# KiCad board ISA65816a.kicad_pcb (continued)
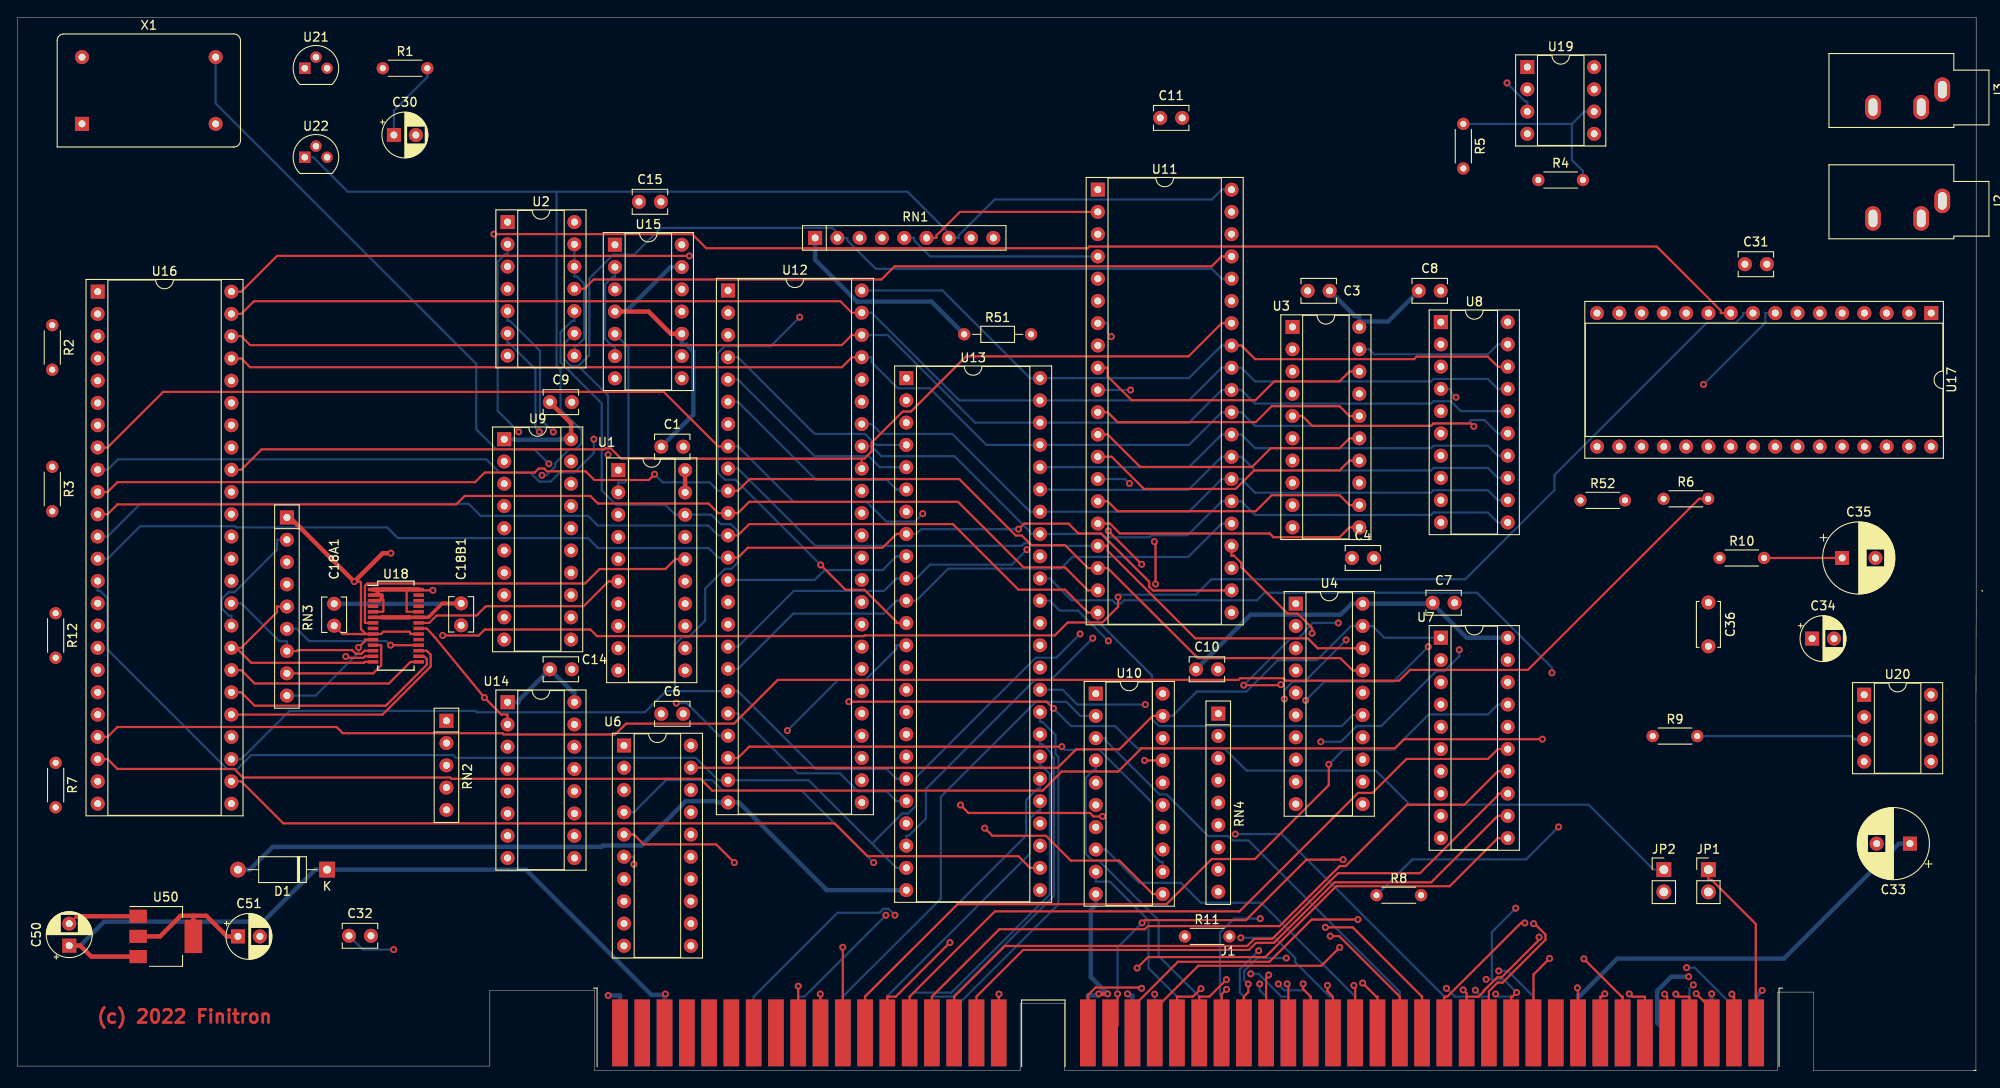
[diagram p0: board, top side]
## Routing (per net, layer and track width the routed paths; a pad name or vN(x,y) marks a point on that pad's centre or on a via; arc(x,y) is an arc through that point) (continued)
BA5: length 196
  In1.Cu w0.25: U7.7 162.27,35.26 162.55,35.26 167.41,40.12 167.41,47.41 167.86,47.86 167.86,55.99 168.31,56.44 168.31,65.19 169.6,66.48 169.89,66.48 U8.13 ; U12.43 96.24,75.73 ; 96.24,75.73 96.24,75.17 96.51,75.17 98.72,72.96 98.72,67.31 100.91,65.12 102.54,65.12 103.72,66.3 U13.43 ; 96.24,75.73 94.5,77.48 80.59,77.48 80.03,76.92 64.82,76.92 64.35,77.38 59.84,77.38 58.63,76.16 U16.43
  Bottom w0.25: U13.43 117.69,66.3 117.73,66.25 133.51,66.25 137.27,70.02 U11.28 139.52,70.02 141.08,68.46 161.14,68.46 161.42,68.74 167.62,68.74 168.76,67.61 U8.13
BA6: length 190.4
  In1.Cu w0.25: U16.42 25.5,73.62 26.39,74.51 78.41,74.51 78.8,74.9 93.97,74.9 95.12,73.76 U12.42 ; U7.8 162.27,32.72 162.55,32.72 167.86,38.03 167.86,47.23 168.31,47.68 168.31,55.81 168.76,56.26 168.76,63.1 169.6,63.94 169.89,63.94 U8.12
  Bottom w0.25: U8.12 168.76,65.07 167.62,66.2 161.42,66.2 161.14,65.92 141.08,65.92 139.52,67.48 U11.27 137.27,67.48 133.55,63.76 U13.42 115.44,63.76 106.56,72.63 98.49,72.63 97.37,73.76 U12.42
BA7: length 192.7
  In1.Cu w0.25: U12.41 95.12,71.22 93.98,70.08 79.25,70.08 75.73,73.61 43.55,73.61 41.03,71.08 U16.41 ; U8.11 169.89,56.75 168.76,55.62 168.76,47.49 168.31,47.04 168.31,35.94 162.55,30.18 162.27,30.18 U7.9
  Bottom w0.25: U12.41 97.37,71.22 98.49,70.09 106.8,70.09 115.44,61.46 115.44,61.22 U13.41 123.67,61.22 124.05,60.83 129.07,60.83 129.31,61.07 133.41,61.07 137.27,64.94 U11.26 139.52,64.94 141.08,63.38 161.14,63.38 161.42,63.66 167.62,63.66 168.76,62.53 U8.11
IRQ1*: length 96.3
  Top w0.25: U13.26 115.44,23.12 114.1,24.45 96.9,24.45 93.16,28.19 30.29,28.19 25.5,32.98 U16.26
PH1: length 205.9
  Top w0.25: U7.11 168.76,26.51 163.27,21.02 150.33,21.02 142.25,12.94 128.88,12.94 v1(127.63,11.69)
  In1.Cu w0.25: v1(127.63,11.69) 87.51,11.69 82.44,16.76 U6.12 75.63,16.76 75.63,17.04 69.56,23.11 68.78,23.11 68,23.89 68,24.85 68.8,25.65 69.53,25.65 74.76,30.88 74.76,31.64 76.4,33.27 77.09,33.27 77.88,34.07 77.88,40.33 71.31,46.91 68.12,46.91 65.95,49.08 65.95,50.47 63.43,52.98 62.75,52.98 59.06,56.68 59.06,68.78 60.24,69.96 60.88,69.96 61.3,69.54 61.3,67.12 62.64,65.78 67.18,65.78 67.36,65.96 U1.2
  Bottom w0.25: U1.2 68.49,67.08 69.19,67.08 69.64,67.54 69.64,82.52 U15.5
PH2: length 211.3
  Top w0.25: v1(123.69,28.99) 122.65,28.99 122.25,29.38 108.41,29.38 v1(107.5,30.29)
  In1.Cu w0.25: v1(123.69,28.99) 128.96,23.71 128.96,22.66 130.22,21.41 133.5,21.41 139.46,15.45 v1(139.46,15.13) ; v1(107.5,30.29) 104.52,33.28 U13.19
  Bottom w0.25: 74.94,43.28 73.92,43.28 71.51,40.87 52.37,40.87 52.21,41.02 31,41.02 25.5,35.52 U16.27 ; 74.94,43.28 74.94,48.61 75.78,49.45 76.51,49.45 78.4,51.34 78.4,54.98 80.66,57.25 81.39,57.25 82.13,57.99 82.13,61.53 81.33,62.33 80.18,62.33 79.09,63.42 U1.18 74.98,63.42 73.86,64.54 68.25,64.54 66.6,66.2 66.6,76.12 61.9,80.82 61.9,84.21 63.2,85.52 63.48,85.52 U2.10 ; 74.94,43.28 U12.19 82.13,43.28 91.02,34.39 99.09,34.39 100.2,33.28 U13.19 ; v1(139.46,15.13) 143.35,15.13 145.67,12.82 145.67,12.35 149.58,8.43 149.96,8.43 J1.20
RESB: length 169.9
  In1.Cu w0.25: v1(59.78,67.91) 59.78,58.51 62.62,55.66 63.54,55.66 U1.8
  Bottom w0.25: U11.40 137.27,100.5 136.15,99.38 111.39,99.38 107.29,95.28 107.29,95 106.73,95 ; 61.45,100.27 61.45,80.41 61.9,79.96 61.9,75.45 64.28,73.07 64.28,71.53 63.65,70.9 62.92,70.9 61.3,69.29 61.3,68.92 60.29,67.91 v1(59.78,67.91) ; 61.45,100.27 37.65,100.27 33.72,104.2 U22.1 ; 61.45,100.27 101.46,100.27 106.73,95 ; 106.73,95 RN1.7
RWB: length 173.5
  Top w0.25: U16.40 25.5,68.54 27.83,70.87 66.91,70.87 67.02,70.98 67.62,70.98 68.81,69.8 96.24,69.8 ; 96.24,69.8 96.52,69.8 97.37,70.65 97.37,71.63 100.92,75.19 101.85,75.19 108.15,81.48 133.49,81.48 137.27,85.26 U11.34 ; 96.24,69.8 U12.40
  In1.Cu w0.25: U8.1 161.14,85.39 160.57,85.96 140.22,85.96 139.52,85.26 U11.34 ; U13.40 114.8,58.68 110.91,62.56 100.91,62.56 97.37,66.1 97.37,66.71 96.52,67.55 96.24,67.55 U12.40
VDA: length 228.6
  Top w0.25: v1(129.74,55.5) 129.74,60.22 v1(129.61,60.35)
  In1.Cu w0.25: v1(121.13,49.81) 121.13,49.67 122.22,48.58 122.89,48.58 129.74,55.42 v1(129.74,55.5) ; v1(129.61,60.35) 126.04,63.92 126.04,77.88 134.69,86.53 148.77,86.53 150.74,88.5 150.74,89.5 142.28,97.96 U11.39
  Bottom w0.25: U13.23 100.2,23.12 97.42,25.89 ; U16.14 9.14,54.72 9.42,54.72 10.26,53.88 10.26,48.03 23.91,34.38 25.03,34.38 26.64,35.98 49.66,35.98 49.97,35.67 77.32,35.67 79.88,33.12 U12.23 90.2,33.12 97.42,25.89 ; 97.42,25.89 100.85,29.32 101.52,29.32 102.45,30.25 102.45,33.47 116.08,47.1 118.43,47.1 v1(121.13,49.81)
VU: length 102.7
  In1.Cu w0.504: D1.2 17.92,22.92 10.39,30.44 U16.24
  Bottom w0.504: D1.2 26.48,22.92 29.08,25.51 66.59,25.51 66.75,25.67 71.12,25.67 76.18,30.73 79.59,30.73 79.75,30.58 U12.24 82.26,30.58 92.26,20.58 U13.24
WA0: length 160.2
  Top w0.25: 152.97,79.75 151.84,79.75 150.72,78.63 143.27,78.63 141.12,76.48 127,76.48 124.28,79.2 124.28,80.18 U11.9
  In1.Cu w0.25: U11.9 103.63,80.18 102.45,79 U13.1 101.32,80.46 96.6,85.19 85.94,85.19 82.13,89 U12.1 79.88,89 78.47,90.4 74.23,90.4 71.54,93.09 61.69,93.09 56.85,97.93 19.33,97.93 10.26,88.86 U16.1
WA1: length 152.4
  In1.Cu w0.25: U11.10 103.63,77.64 102.45,76.46 U13.2 101.32,77.58 100.62,77.58 100.2,78 100.2,79.02 96.57,82.65 85.94,82.65 82.13,86.46 U12.2 79.88,86.46 78.86,85.44 31.4,85.44 31.16,85.2 11.39,85.2 10.26,86.32 U16.2 ; v1(126.89,77.64) 128.01,76.52 141.16,76.52 142.98,78.34 150.72,78.34 151.84,77.21 U3.17
  Bottom w0.25: U11.10 v1(126.89,77.64)
WA2: length 152.8
  Top w0.25: U11.11 124.28,75.1 125.41,73.98 141.16,73.98 142.98,75.8 150.72,75.8 151.84,74.67 152.97,74.67
  In1.Cu w0.25: U16.3 10.26,83.78 11.39,82.66 25.79,82.66 26.01,82.88 80.53,82.88 81.57,83.92 ; 101.89,73.92 97.74,78.06 97.74,78.99 96.54,80.2 94.64,80.2 94.41,80.42 85.62,80.42 82.13,83.92 81.57,83.92 ; 101.89,73.92 U13.3 ; 101.89,73.92 102.45,73.92 103.63,75.1 U11.11 ; U12.3 81.57,83.92
WA3: length 152.4
  Top w0.25: U11.12 124.28,72.56 127.99,68.86 140.74,68.86 142.88,71.01 150.72,71.01 151.84,72.13 U3.15
  In1.Cu w0.25: U16.4 10.26,81.24 11.42,80.09 26.34,80.09 26.5,80.25 78.75,80.25 79.88,81.38 U12.4 ; U13.4 102.45,71.38 103.63,72.56 U11.12
  Bottom w0.25: U13.4 97.84,71.38 96.59,72.63 90.87,72.63 82.13,81.38 U12.4
WA4: length 152.8
  Top w0.25: U11.13 124.75,70.02 128.42,66.35 138.86,66.35 140.98,68.47 150.72,68.47 151.84,69.59 152.97,69.59
  In1.Cu w0.25: U12.5 79.88,78.84 78.41,77.37 65.04,77.37 64.52,77.89 59.49,77.89 59.15,77.55 11.42,77.55 10.26,78.7 U16.5 ; U11.13 103.63,70.02 102.45,68.84 U13.5
  Bottom w0.25: U13.5 98.29,68.84 97.04,70.09 90.87,70.09 82.13,78.84 U12.5
WA5: length 155
  In1.Cu w0.25: U3.13 151.84,67.05 151.84,67.33 145.91,73.27 142.99,73.27 140.95,71.23 131.02,71.23 v1(126.76,66.98) ; U12.6 79.24,76.3 77.98,75.04 11.39,75.04 10.26,76.16 U16.6 ; U11.14 104.27,67.48 103.08,66.3 U13.6
  Bottom w0.25: U13.6 100.2,66.3 99.09,67.41 91.02,67.41 82.13,76.3 U12.6 ; U11.14 126.26,67.48 v1(126.76,66.98)
WA6: length 153.9
  Top w0.25: U3.12 151.84,64.51 150.72,65.64 142.98,65.64 141.16,63.82 125.41,63.82 124.28,64.94 U11.15
  In1.Cu w0.25: U16.7 10.26,73.62 11.41,72.48 26.89,72.48 28.48,74.06 79.58,74.06 79.88,73.76 U12.7 82.13,73.76 83.25,72.63 96.44,72.63 98.04,71.02 98.04,67.35 101.63,63.76 101.64,63.76 ; U11.15 103.58,64.94 102.45,63.81 102.45,63.76 101.64,63.76 ; U13.7 101.64,63.76
WA7: length 154.5
  Top w0.25: U3.11 151.84,61.97 150.72,60.85 143.19,60.85 142.76,61.28 125.66,61.28 124.53,62.4 U11.16 ; U16.8 10.26,71.08 16.6,77.42 73.67,77.42 79.88,71.22 U12.8
  In1.Cu w0.25: U11.16 114.49,62.4 113.36,63.53 v1(103.2,63.53)
  Bottom w0.25: v1(103.2,63.53) 102.29,62.63 99.05,62.63 96.81,64.87 88.48,64.87 82.13,71.22 U12.8
WA8: length 159.5
  Top w0.25: U4.18 148.23,48.18 147.1,49.3 134.27,49.3 124.28,59.29 124.28,59.86 U11.17
  In1.Cu w0.25: U12.9 79.88,68.68 79.88,68.82 76.34,72.35 66.02,72.35 v1(65.7,72.04)
  Bottom w0.25: U11.17 115.66,59.86 115.37,60.15 114.77,60.15 114.48,59.86 90.94,59.86 82.13,68.68 U12.9 ; U16.9 10.26,68.54 11.45,69.74 53.44,69.74 54.95,68.22 58.45,68.22 59.48,67.19 60.79,67.19 61.82,68.22 63.48,68.22 65.7,70.45 v1(65.7,72.04)
WA9: length 156.5
  Top w0.25: U16.10 10.26,66 11.39,67.13 52.17,67.13 53.26,68.22 58.95,68.22 59.41,68.68 60.05,68.68 60.36,68.36 64.77,68.36 65.76,67.37 71.96,67.37 v1(72.62,68.03) ; U12.10 82.13,66.14 83.48,67.49 107.36,67.49 113.81,61.04 114.49,61.04 115.58,59.95 119.41,59.95 122.03,57.32 U11.18 124.28,57.32 134.55,47.05 150.81,47.05 152.22,45.64 U4.17
  Bottom w0.25: v1(72.62,68.03) 73.55,67.1 78.91,67.1 79.88,66.14 U12.10
WA10: length 160
  Top w0.25: U11.19 122.03,54.78 119.41,57.41 114.7,57.41 107.22,64.88 83.41,64.88 82.13,63.6 U12.11 79.88,63.6 78.79,64.69 66.17,64.69 65.31,65.55 50.98,65.55 50.02,64.59 11.39,64.59 10.26,63.46 U16.11
  In1.Cu w0.25: U11.19 124.28,54.78 125.73,56.22 130.04,56.22 130.28,55.98 145.13,55.98 148.76,52.35 148.76,46.57 152.22,43.1 U4.16
WA11: length 161.4
  Top w0.25: U11.20 122.03,52.24 119.41,54.87 114.1,54.87 106.63,62.34 83.41,62.34 82.13,61.06 U12.12
  Bottom w0.25: U16.12 10.26,60.92 14,64.66 51.42,64.66 52.79,63.28 65.03,63.28 66.14,62.18 78.75,62.18 79.88,61.06 U12.12 ; U11.20 123.16,51.12 123.28,51.12 129.33,45.07 129.33,40.08 130.11,39.3 150.97,39.3 152.22,40.56 U4.15
WA12: length 163.6
  Top w0.25: U11.22 137.27,54.78 137.27,54.77 129.44,54.77 129.01,55.2 129.01,55.77 123.51,61.28 120.94,61.28 119.82,62.4 114.74,62.4 v1(114.11,61.76) ; U12.13 82.13,58.52 83.25,59.64 98.62,59.64 100.2,61.22 U13.8
  In1.Cu w0.25: U4.14 153.35,39.14 153.15,39.14 148.31,43.98 148.31,50.19 146.57,51.93 142.38,51.93 139.52,54.78 U11.22
  Bottom w0.25: v1(114.11,61.76) 102.99,61.76 102.45,61.22 U13.8 ; U16.13 10.26,58.38 13.98,62.1 24.79,62.1 24.93,61.97 42.13,61.97 43.35,60.74 65.03,60.74 66.17,59.61 78.79,59.61 79.88,58.52 U12.13
WA13: length 92.9
  In1.Cu w0.25: U4.13 153.35,36.6 153.63,36.6 154.48,37.45 154.48,43.56 153.67,44.37 152.97,44.37 149.39,47.95 149.39,52.35 144.42,57.32 U11.23 137.27,57.32 136.1,58.5 120.96,58.5 120.01,57.55 103.57,57.55 102.45,58.68 U13.9
  Bottom w0.25: U12.14 90.89,55.98 92.01,57.1 98.62,57.1 100.2,58.68 U13.9
WA14: length 97.4
  Top w0.25: v1(147.58,49.89) 147.58,50.48 145.93,52.13 144.8,52.13 139.52,57.4 139.52,57.89 138.68,58.74 138.4,58.74 U11.24
  In1.Cu w0.25: U11.24 137.27,59.86 137.03,59.62 125.26,59.62 123.9,60.99 120.11,60.99 118.93,59.8 115.45,59.8 v1(115.07,59.43) ; U4.12 153.35,34.06 153.07,34.06 147.58,39.55 v1(147.58,49.89)
  Bottom w0.25: v1(115.07,59.43) 113.36,57.71 104.02,57.71 102.45,56.14 U13.10 100.2,56.14 98.78,54.72 88.49,54.72 82.13,48.36 U12.17
WA15: length 105.5
  In1.Cu w0.25: U4.11 153.35,31.52 153.63,31.52 154.97,32.87 154.97,45.53 154.7,45.8 154.7,45.88 153.67,46.91 152.63,46.91 149.84,49.69 149.84,52.55 139.99,62.4 U11.25
  Bottom w0.25: U12.18 82.13,45.82 88.44,52.13 98.73,52.13 100.2,53.6 U13.11 102.45,53.6 106.11,57.26 118.93,57.26 120.26,58.59 133.46,58.59 137.27,62.4 U11.25
Net-(C30-Pad1): length 18.6
  In1.Cu w0.25: C30.1 35.29,106.74 U22.2
  Bottom w0.25: R1.2 46.72,113.33 42.91,109.52 C30.1
Net-(C31-Pad1): length 23.2
  In1.Cu w0.25: J2.T 215.8,97.22 209.46,90.87 198.05,90.87 C31.1
Net-(C31-Pad2): length 246.4
  In1.Cu w0.25: R3.2 3.96,64.83 6.03,66.89 6.03,89.78 28.84,112.6 28.84,114.54 32.77,118.47 150.76,118.47 157.28,111.95 U19.2 173.25,111.95 174.44,113.14 180.23,113.14 199.43,93.94 C31.2
Net-(C34-Pad1): length 9.5
  In1.Cu w0.25: C34.1 204.59,48.15 209.4,43.34 209.4,42.87 U20.1
Net-(C34-Pad2): length 13.7
  In1.Cu w0.25: C34.2 210.61,49.28 217.02,42.87 U20.8
Net-(C35-Pad1): length 37.4
  Top w0.25: C35.1 R10.2
  In1.Cu w0.25: U20.5 218.15,36.37 218.43,36.37 219.27,37.21 219.27,46.09 208.01,57.35 C35.1
Net-(C35-Pad2): length 57.3
  In1.Cu w0.25: C35.2 220.66,67.33 220.66,107.51 218.25,109.92 J3.T
Net-(C36-Pad1): length 5.6
  In1.Cu w0.25: R10.1 192.77,57.21 C36.1
Net-(J1-Pad2): length 19.9
  In1.Cu w0.25: JP2.2 187.69,19.2 190.29,16.6 v1(190.29,11.73)
  Bottom w0.25: J1.2 195.68,7.26 191.21,11.73 v1(190.29,11.73)
Net-(J1-Pad32): length 21.1
  Top w0.25: JP1.1 192.77,21.74 193.14,21.74 198.17,16.7 198.17,8.48 198.22,8.43 J1.32
Net-(R2-Pad2): length 203.9
  In1.Cu w0.25: R2.2 3.96,80.98 4.99,82.01 4.99,92.07 31.84,118.93 163.57,118.93 v1(169.81,112.68) ; U19.3 172.12,108.29 172.4,108.29 173.38,107.31 R4.1
  Bottom w0.25: v1(169.81,112.68) 169.81,112.64 171.91,110.54 172.12,110.54 U19.3
Net-(R4-Pad2): length 22.4
  Bottom w0.25: 177.21,108.01 177.21,103.88 178.46,102.63 R4.2 ; 177.21,108.01 R5.1 ; 177.21,108.01 178.62,109.41 U19.6
Net-(R8-Pad1): length 63.3
  In1.Cu w0.25: v1(175.68,27.78) 180.1,27.78 190.47,38.16 R9.2
  Bottom w0.25: R8.1 159.01,24.08 171.98,24.08 v1(175.68,27.78) ; R9.2 209.03,38.16 209.4,37.79 U20.3
Net-(RN3-Pad9): length 12.9
  Top w0.25: v1(38.88,48.26) 39.6,48.98 39.6,49.16 U18.10
  Bottom w0.25: v1(38.88,48.26) 38.88,47.68 33.98,42.77 RN3.9
Net-(U1-Pad4): length 78.3
  In1.Cu w0.25: v1(60.57,69.22) 60.57,65.35 62.64,63.28 64.96,63.28 67.36,60.88 U1.4
  Bottom w0.25: X1.8 22.59,110.33 52.3,80.62 52.3,73.16 54.55,70.9 58.89,70.9 v1(60.57,69.22)
Net-(U1-Pad6): length 24.7
  Top w0.25: U18.22 46.93,51.07 47.79,51.92 52.34,51.92 53.4,52.98 64.54,52.98 67.36,55.8 U1.6
Net-(U1-Pad16): length 42.9
  Top w0.25: U18.7 39.6,51.07 39.6,55.29 39.89,55.57 64.71,55.57 66.35,57.21 73.86,57.21 74.98,58.34 U1.16
Net-(U2-Pad12): length 14
  Bottom w0.25: U2.8 63.48,82.69 63.77,82.69 64.61,83.53 64.61,89.76 63.77,90.6 63.48,90.6 U2.12 U2.13
Net-(U11-Pad37): length 76.4
  Top w0.25: U11.37 137.27,92.88 136.15,91.76 99.99,91.76 98.49,90.26 65.68,90.26 64.61,89.18 U2.11
Net-(U14-Pad9): length 66.2
  In1.Cu w0.25: v1(59.5,72.87) 57.71,71.08 57.71,51.48 58.16,51.03 58.16,35.54 63.1,30.59 63.84,30.59 64.64,29.79 64.64,26.24 63.77,25.37 63.48,25.37 U14.9
  Bottom w0.25: v1(59.5,72.87) 59.05,73.32 59.05,80 56.07,82.98 55.86,82.98 U2.6
Net-(U14-Pad15): length 64.5
  In1.Cu w0.25: U2.5 U2.4 55.86,90.31 55.58,90.31 54.74,91.15 54.74,94.84 55.58,95.68 55.86,95.68 U2.1 ; U14.15 63.48,40.61 63.2,40.61 58.61,45.2 58.61,51.22 58.16,51.67 58.16,69.95 v1(61.07,72.86)
  Bottom w0.25: U2.5 55.86,85.52 56.15,85.52 59.56,82.1 59.56,74.36 v1(61.07,72.86)
Net-(U15-Pad2): length 11.4
  Bottom w0.25: U15.2 68.11,90.55 67.83,90.55 66.98,89.7 66.98,83.48 67.83,82.64 68.11,82.64 U15.6
Net-(U15-Pad3): length 13.3
  In1.Cu w0.25: U15.3 66.98,89.13 65.52,90.6 58.12,90.6 56.99,91.72 U2.3

## Copper pours and planes (outline as drawn; the poured copper is in the pictures)
GND on In2.Cu: 223.42,9.91 0.05,9.91 0.05,120.37 223.42,120.37
GND on In2.Cu: 223.17,10.23 -0.01,10.23 -0.01,120.15 223.17,120.15

## Text on the board
Top: (c) 2022 Finitron
